# Altium PCB CSUEAF4 - 信号线完毕.PcbDoc
Units mil, origin at the board's own origin, x right, y up, seen from the top; angles counter-clockwise.
Board outline 3937.01 x 3937.01 mil, 2 copper layers (Top Layer, Bottom Layer); 84 components, 107 nets, 448 pads, 112 vias.
Unrouted connection lines stored in the file: 119.
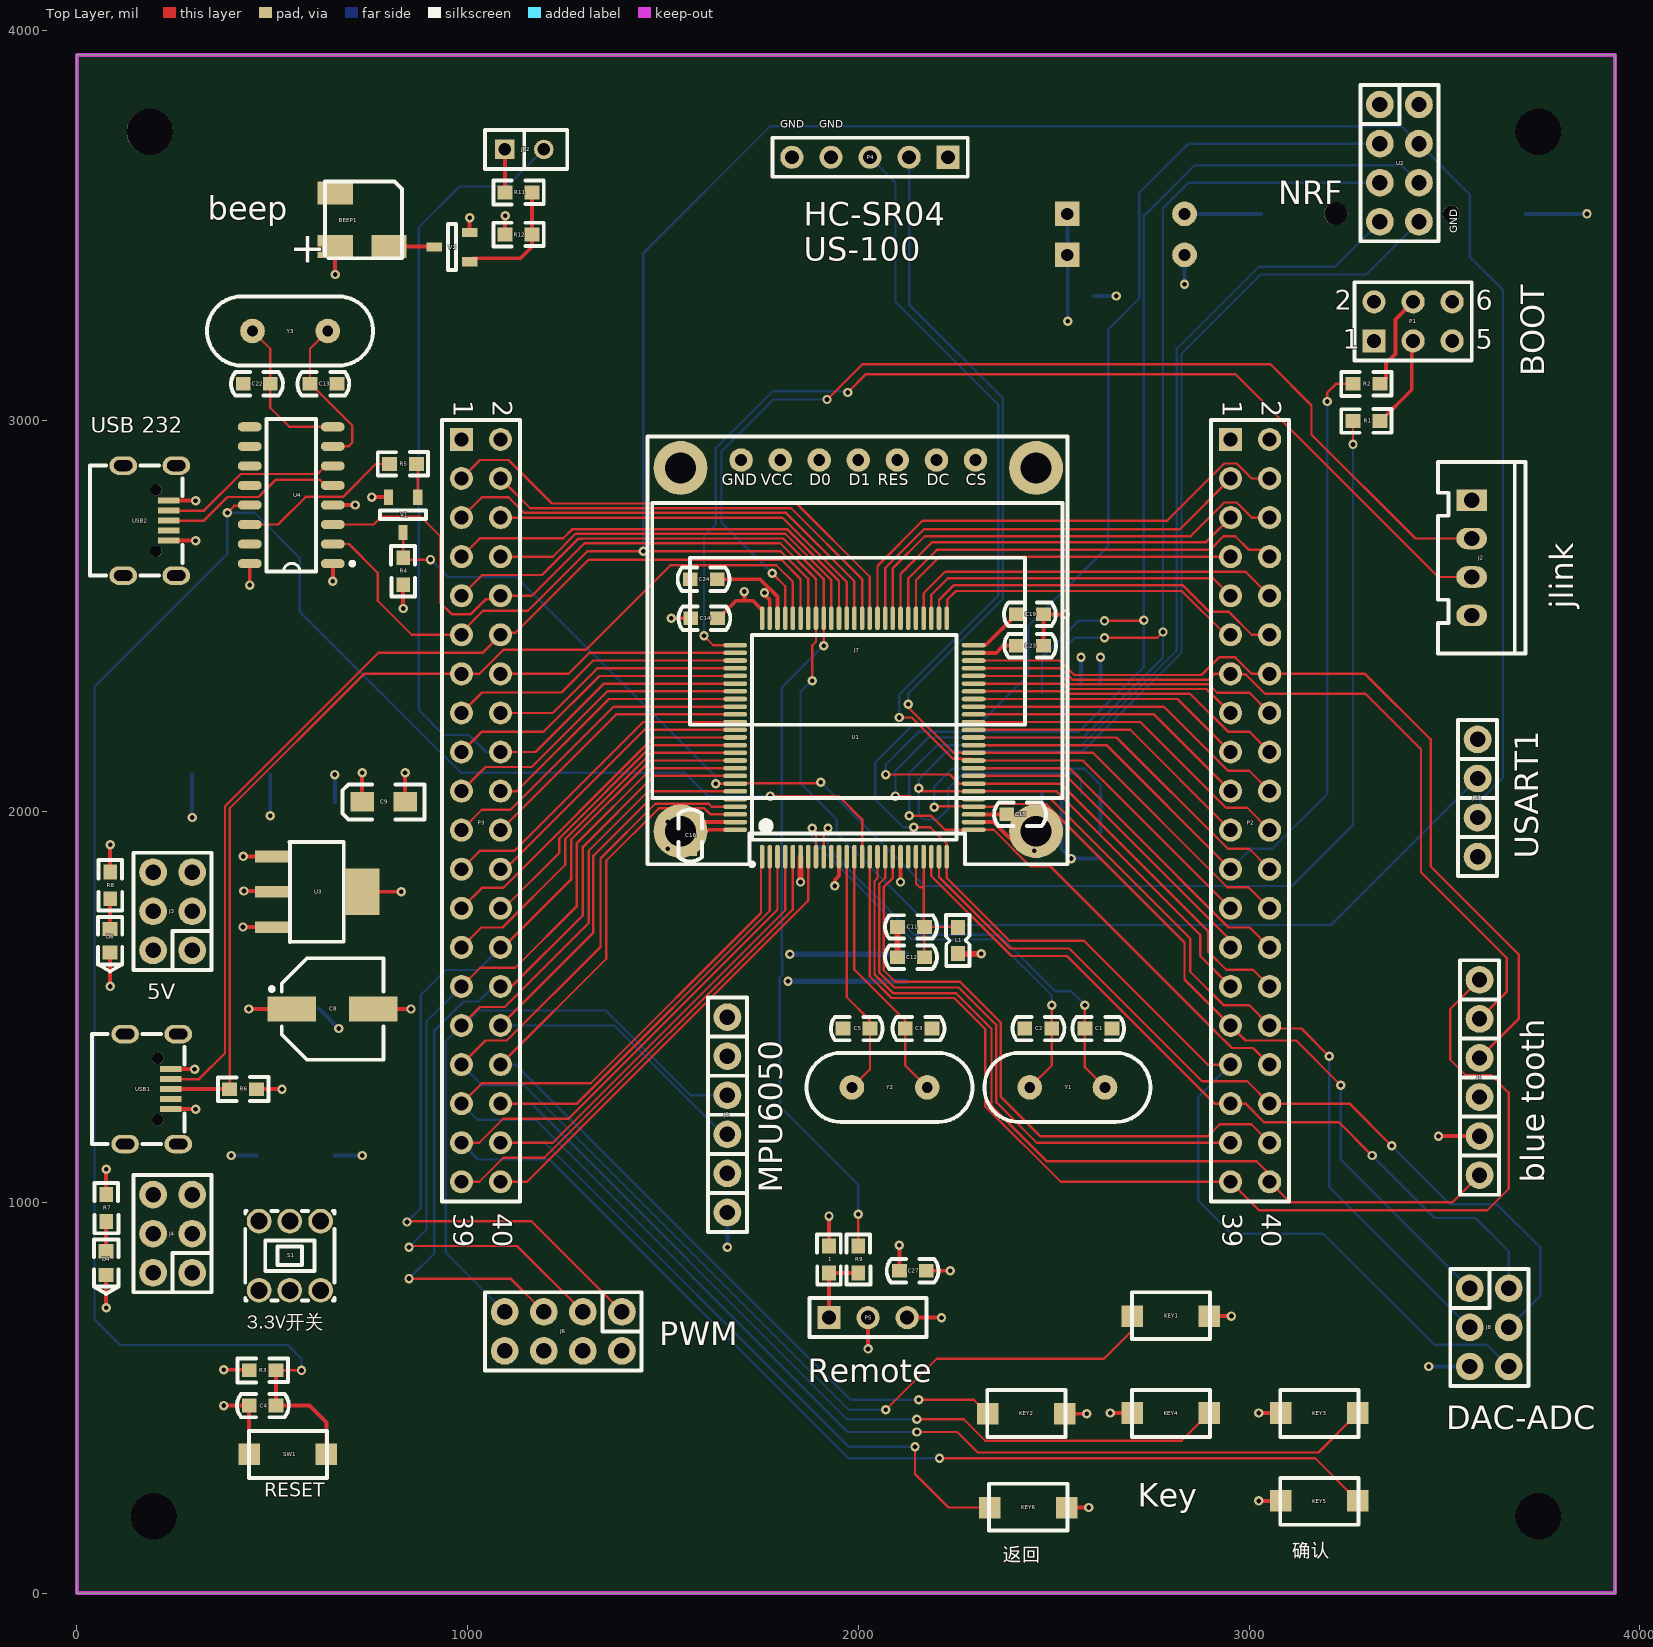
[diagram p0: Top Layer view]
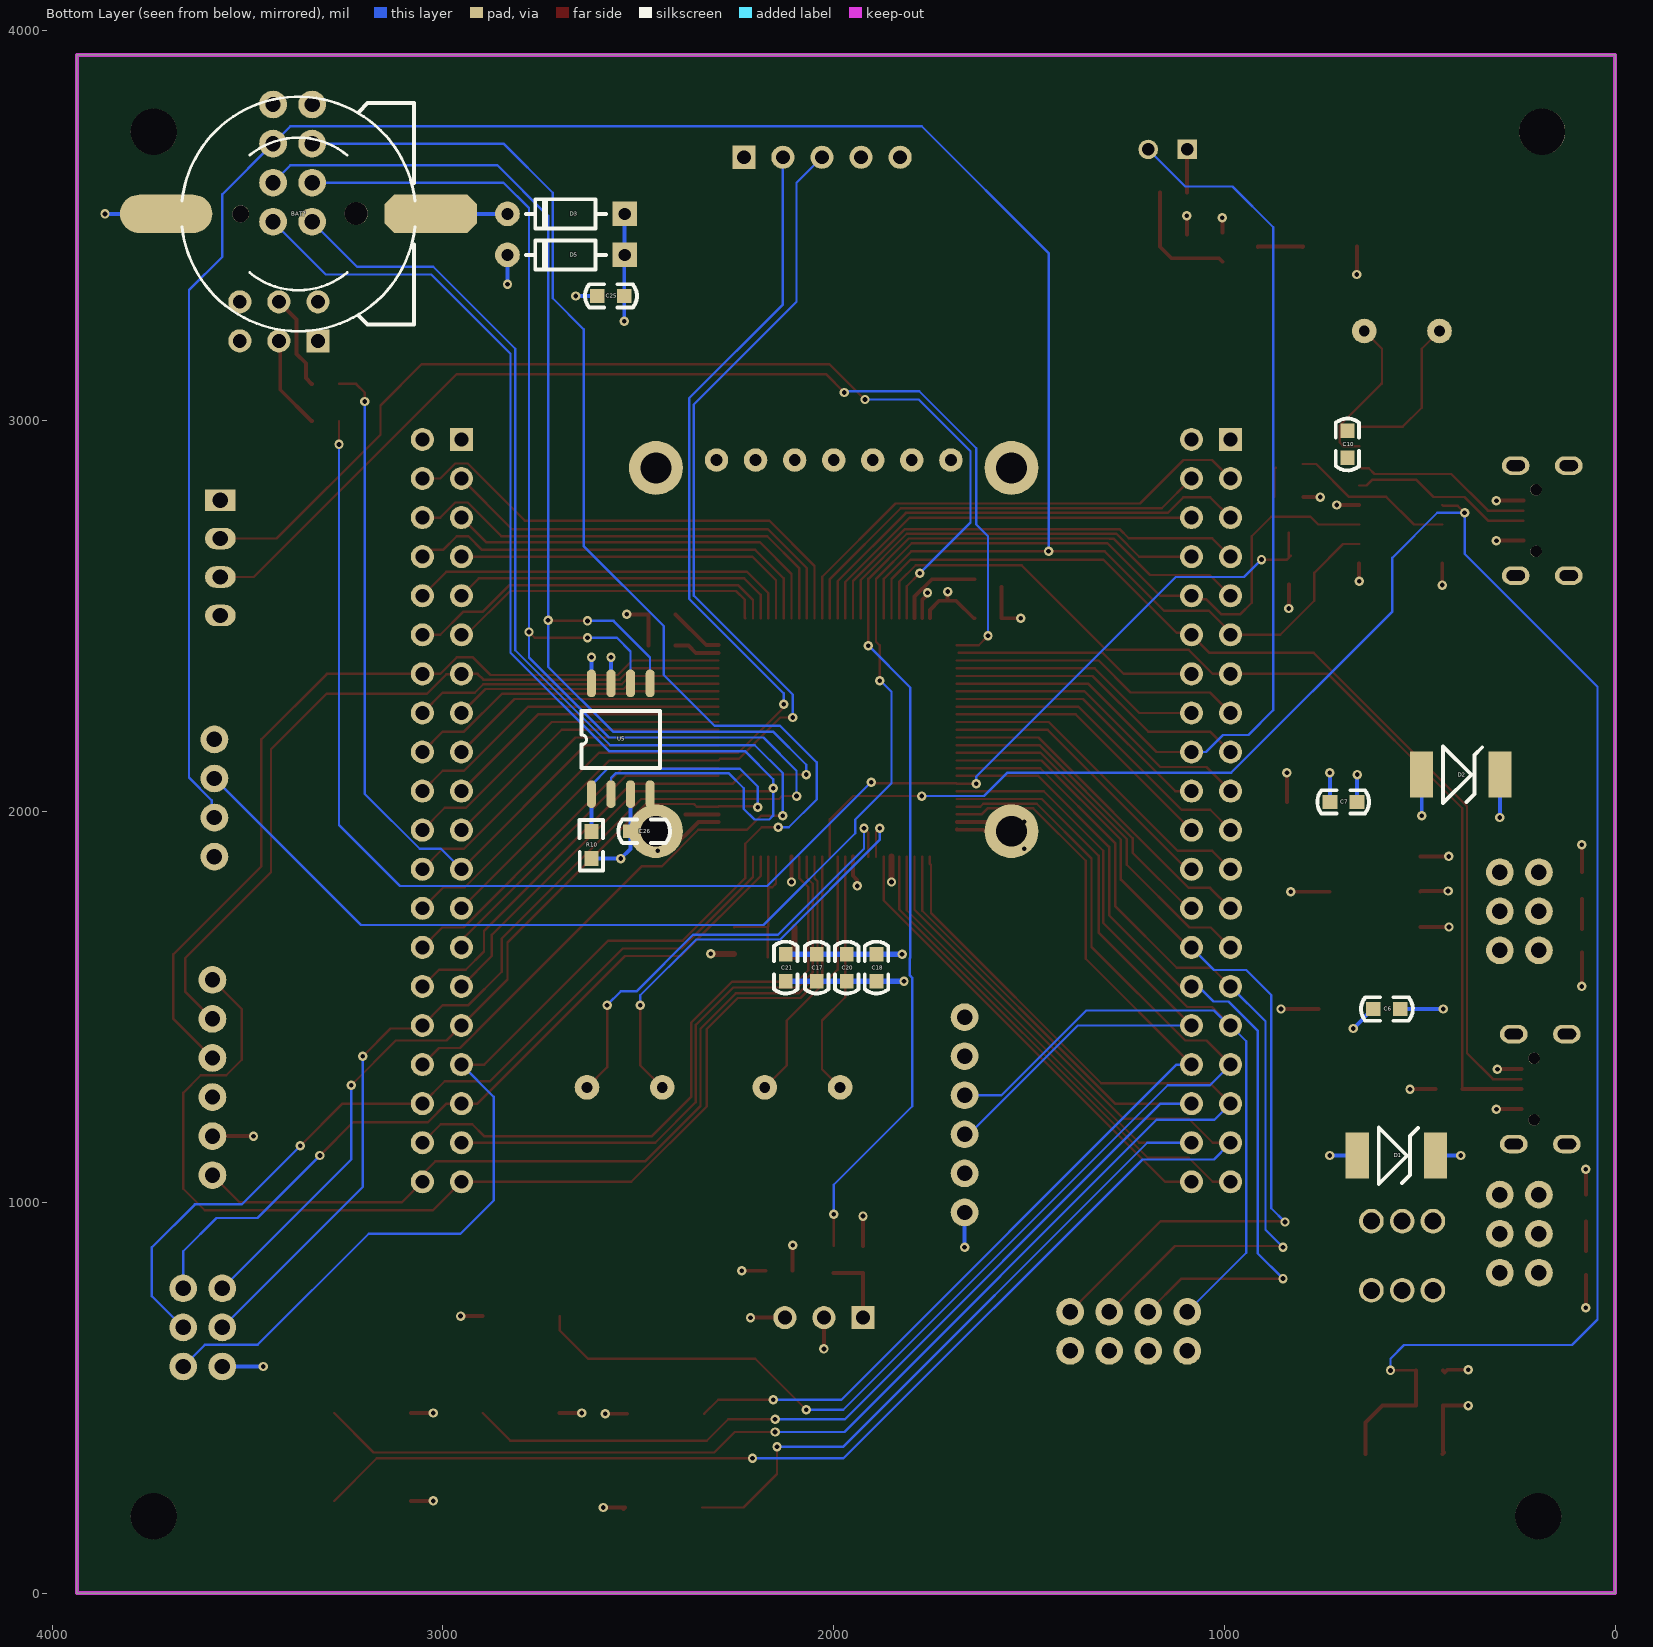
[diagram p1: Bottom Layer view, seen from below]
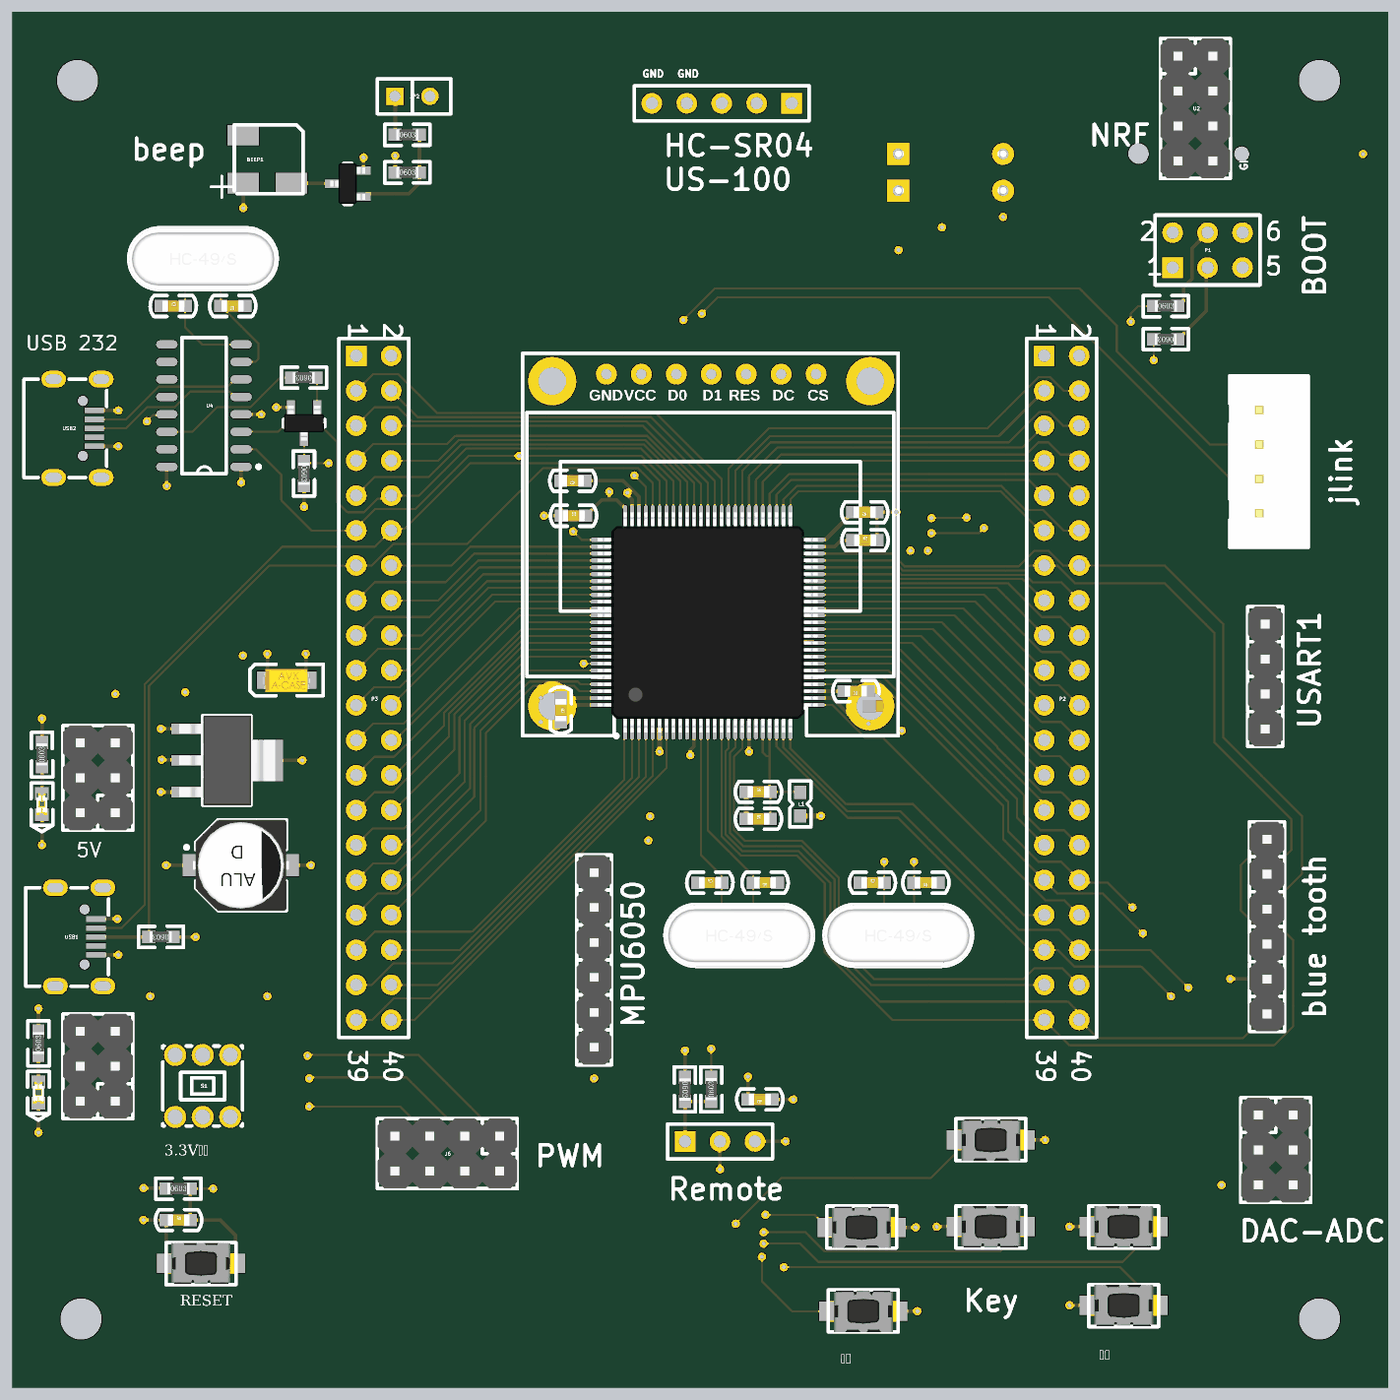
[diagram p2: 3D render of the assembled board from above, using the file's embedded part models]
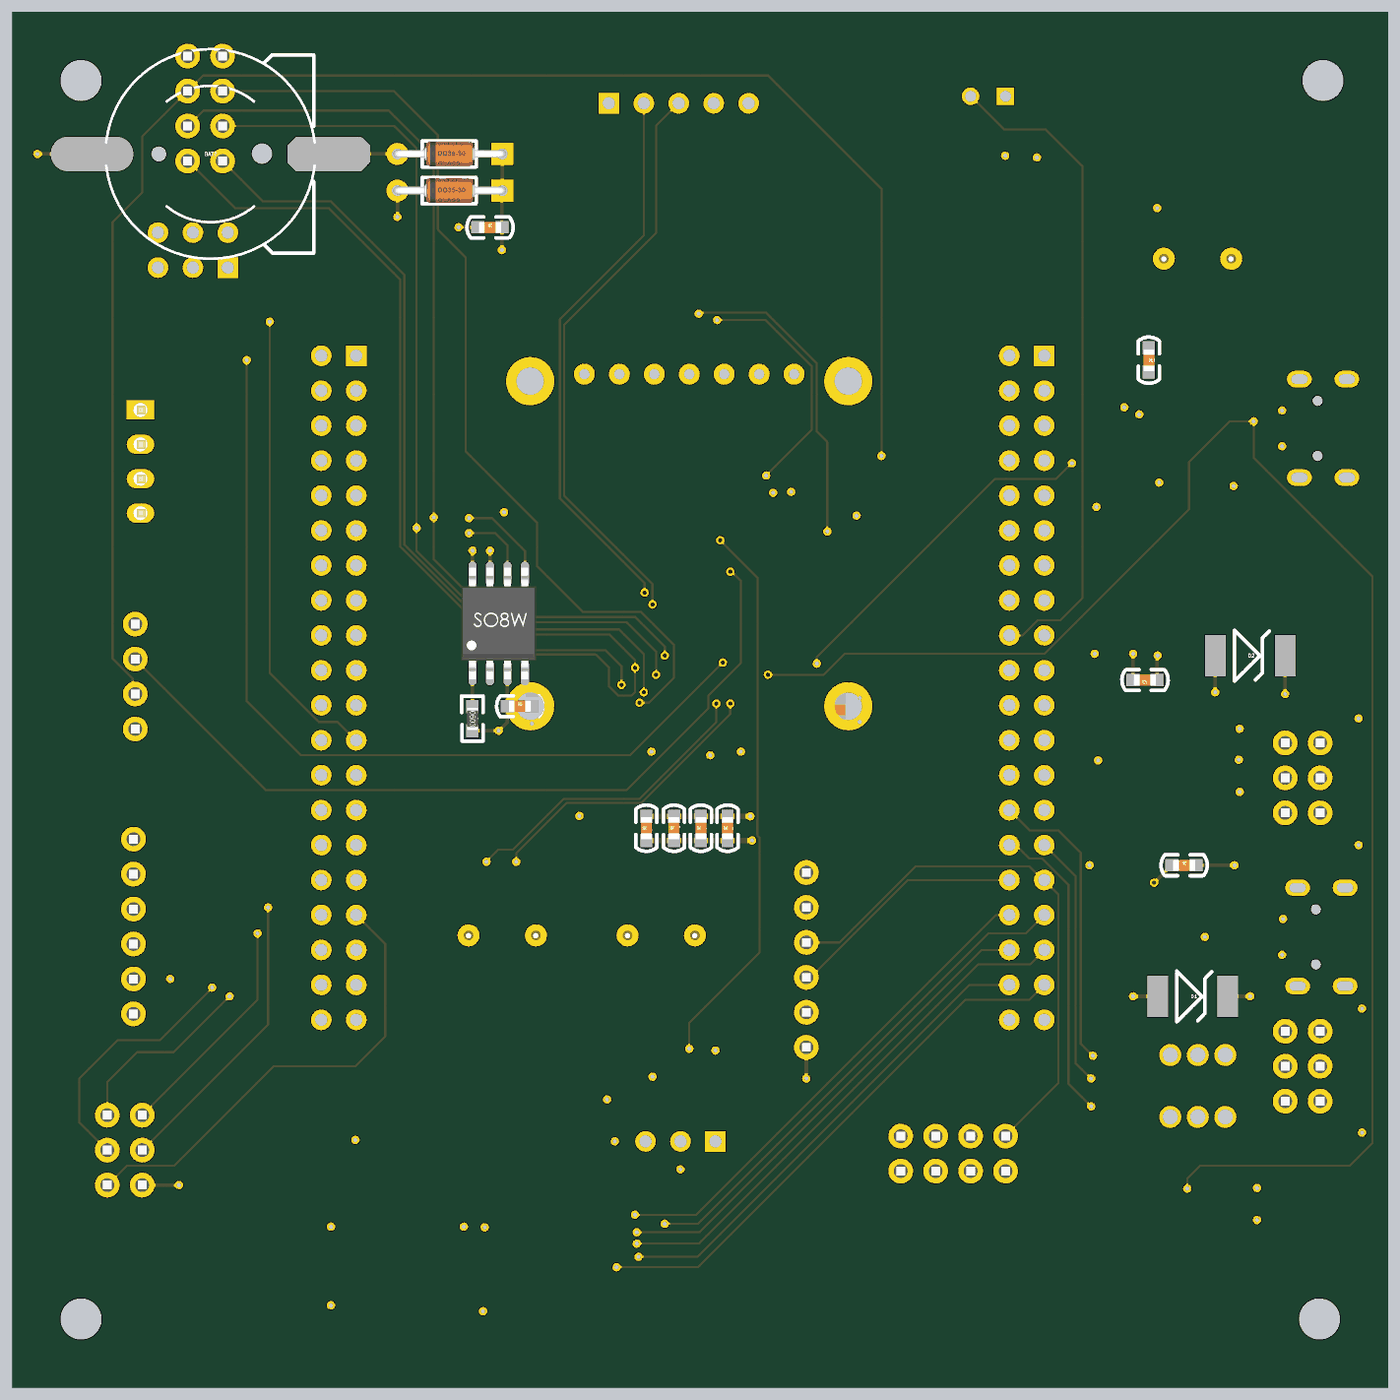
[diagram p3: 3D render of the assembled board from below, using the file's embedded part models]

## Layer stack, top to bottom
Top Solder: solder mask 0.4, Solder Resist, Dk 3.5
Top Layer: signal copper 1.4
Dielectric 1: dielectric 12.6, FR-4, Dk 4.8
Bottom Layer: signal copper 1.4
Bottom Solder: solder mask 0.4, Solder Resist, Dk 3.5

## Board outline
0,0 3937.01,0 3937.01,3937.01 0,3937.01

## Design rules (kind name [scope] priority, off if disabled: settings)
Clearance ALL [All] p1: gap=6 ignorepadtopadclearanceinfootprint=FALSE
Clearance VIA-POLY [isvia vs inpolygon] p2: gap=6 ignorepadtopadclearanceinfootprint=FALSE
Clearance POLY [inpolygon] p3: gap=10 ignorepadtopadclearanceinfootprint=FALSE
PolygonConnect [All] p1: connectstyle=Relief reliefconductorwidth=18 reliefentries=4 polygonreliefangle="90 Angle" airgapwidth=10
RoutingVias [All] p1: holewidth=12 width=24 viastyle="Through Hole" minholewidth=12 minwidth=24 maxholewidth=12 maxwidth=24
SilkToSilkClearance [All] p1: silktosilkclearance=2
SilkToSolderMaskClearance [IsPad] p1: minsilkscreentomaskgap=2 clearancetoexposedcopper=TRUE
SolderMaskExpansion [All] p1: expansion=2.5
Width POW [InNetClass('POW')] p1: maxlimit=60 minlimit=10 preferedwidth=15
Width [All] p2: maxlimit=6 minlimit=6 preferedwidth=6
28 further rules are at their usual default settings.

## Classes and differential pairs
net class POW: 3V3 5V GND VBAT VUSB

## Components (designator, comment, footprint, x,y, rotation, side; value= is the part's Value field where it differs from the comment)
1 "电阻" R0603 1925,888.37 r270 top value=150R
BAT? "BATT" BATM 3370,3530 r90 bottom
BEEP1 "蜂鸣器" Beep-5.0*5.0 730,3515 r0 top
C1 "15pF" C0603 2649,1445 r180 top value=22pF
C2 "15pF" C0603 2426,1445 r0 top value=22pF
C3 "22pF" C0603 2189,1445 r180 top
C4 "104" C0603 441,480 r0 top value=22pF
C5 "22pF" C0603 1961,1445 r0 top
C6 "电容104" C0603 619,1495 r180 bottom value=22pF
C7 "电容104" C0603 661,2025 r0 bottom value=22pF
C8 "电解电容106" "贴片电解 6.3*5.4" 654.33,1495 r0 top value=100pF
C9 "钽电容106" 3216-ce 730,2025 r180 top value=100pF
C10 "104" C0603 685,2975 r270 bottom value=22pF
C11 "106" C0603 2100,1705 r0 top value=22pF
C12 "106" C0603 2100,1627.76 r0 top value=22pF
C13 "22pF" C0603 665.81,3095 r180 top
C14 "104" C0603 1571,2495 r0 top value=22pF
C15 "104" C0603 2449,1993.15 r180 top value=22pF
C16 "104" C0603 1569.78,1974 r270 top value=22pF
C17 "电容" C0603 2043.51,1566 r90 bottom value=22pF
C18 "104" C0603 1890.44,1566 r90 bottom value=22pF
C19 "104" C0603 2474,2505 r180 top value=22pF
C20 "104" C0603 1966.66,1566 r90 bottom value=22pF
C21 "104" C0603 2122.8,1566 r90 bottom value=22pF
C22 "22pF" C0603 425.81,3095 r0 top
C23 "225" C0603 2405,2425 r0 top value=22pF
C24 "225" C0603 1639,2595 r180 top value=22pF
C25 "104" C0603 2605,3320 r180 bottom value=22pF
C26 "104" C0603 2520,1950 r180 bottom value=22pF
C27 "104" C0603 2174,825 r180 top value=22pF
D1 "SMBJ3.3A" SMBJ 565,1120 r180 bottom
D2 "SMBJ5.0A" SMBJ 400,2095 r180 bottom
D3 "1N4148" DO-35 2685,3530 r180 bottom
D4 "LED" "LED 0603G" 75,844.68 r90 top
D5 "1N4148" DO-35 2685,3425 r180 bottom
D6 "LED" "LED 0603G" 85,1669.68 r90 top
J1 "SIP-6" 2.54排针1X6 3590,1369.69 r90 top
J2 "SIP-4" 2.54XH接插件4P 3570,2797.52 r270 top
J3 "PIN-6" 2.54排针2X3 295,1645 r90 top
J4 "PIN-6" 2.54排针2X3 295,820 r90 top
J5 "MPU6050" 2.54排针1X6 1665,1174.23 r270 top
J6 "TIM4_1234" 2.54排针2X4#1 1395,720 r180 top
J7 "0.96OLED" "OLED 0.96" 1700,2900 r0 top
J8 "DAC_ADC" 2.54排针2X3 3565,780 r270 top
JP1 "SIP-4" 2.54排针1X4 3585,1885 r270 top
JP2 "JX2" SIP2 1095,3695 r0 top
KEY1 "SW" 按键微动开关2 2800,710 r0 top
KEY2 "SW" 按键微动开关2 2430,460 r0 top
KEY3 "SW" 按键微动开关2 3180,460 r180 top
KEY4 "SW" 按键微动开关2 2800,460 r180 top
KEY5 "SW" 按键微动开关2 3180,235 r180 top
KEY6 "SW" 按键微动开关2 2435,220 r0 top
L1 "10uH" L0603 2255,1675.55 r270 top
P1 "Header 3X2" HDR2X3 3320,3205 r0 top
P2 "Header 20X2" HDR2X20 2952.76,2952.76 r270 top
P3 "Header 20X2" HDR2X20 984.25,2952.76 r270 top
P4 "HC-SR04/US-100" HDR1X5 2230,3675 r180 top
P5 "HS0038" HDR1X3 1925,705 r0 top
R1 "10K" R0603 3335,3000 r180 top value=150R
R2 "10K" R0603 3266,3095 r0 top value=150R
R3 "10K" R0603 441,570 r0 top value=150R
R4 "10K" R0603 835,2650 r270 top value=150R
R5 "4.7K" R0603 869,2890 r180 top value=150R
R6 "1K" R0603 460,1290 r180 top value=150R
R7 "330" R0603 75,951 r90 top value=150R
R8 "1K" R0603 85,1777 r90 top value=150R
R9 "1K" R0603 2000,819.37 r90 top value=150R
R10 "10K" R0603 2620,1949 r270 bottom value=150R
R11 "4.7K" R0603 1096,3585 r0 top value=150R
R12 "10K" R0603 1096,3477.4 r0 top value=150R
S1 "SWITCH-6" 自锁开关 545,865 r180 top
SW1 "SW" 按键微动开关2 540,355 r180 top
U1 "STM32F407VET6" LQFP100 1990,2190 r90 top
U2 "NRF24L01" 2.54排针2X4#2 3335,3810 r270 top
U3 "AMS1117-3V3" SOT223 615,1795 r270 top
U4 "CH340G" SOIC16 655,2635 r180 top
U5 "W25Q80BL" W25Q-SO8 2620,2045 r90 bottom
USB1 "USB" MICRO-USB-5P4脚 135,1290 r270 top
USB2 "USB" MICRO-USB-5P4脚 130,2745 r270 top
V1 "NPN" SOT-23 835,2760 r180 top
V2 "NPN" SOT-23 960,3445 r90 top
Y1 "32KHz" OSC-HC-49S 2535,1294.29 r0 top
Y2 "8MHz" OSC-HC-49S 2080,1294.29 r0 top
Y3 "12MHz" OSC-HC-49S 545.81,3230.32 r0 top

## Footprints (in the part's own frame and the unit in brackets; to place one, negate y for a bottom-side part, rotate by r counter-clockwise, add the part's x,y. Pads: shape width x height; smd on the part's side, far side on the other; paste and mask are expansions set on the pad)
2.54XH接插件4P [mm]
  rect 1.4x2 hole 1: 1(0,0)
  oval 1.4x2 hole 1: 2(2.5,0) 3(5,0) 4(7.5,0)
  silkscreen extent -2.48,-2.2 9.98,3.5, body extent -2.5,-2.25 10,3.45, height 7
2.54排针1X4 [mm]
  round 1.8 hole 1: 1(-7.62,0) 2(-5.08,0) 3(-2.54,0) 4(0,0)
  silkscreen extent -8.89,-1.27 1.27,1.27, body extent -8.89,-1.27 1.27,1.27, height 2.5
2.54排针1X6 [mm]
  round 1.8 hole 1: 1(-7.62,0) 2(-5.08,0) 3(-2.54,0) 4(0,0) 5(2.54,0) 6(5.08,0)
  silkscreen extent -8.89,-1.27 6.35,1.27, body extent -8.89,-1.27 6.35,1.27, height 2.5
2.54排针2X3 [mm]
  round 1.8 hole 1: 1(0,0) 2(0,2.54) 3(2.54,0) 4(2.54,2.54) 5(5.08,0) 6(5.08,2.54)
  silkscreen extent -1.27,-1.27 6.35,3.81, body extent -1.27,-1.27 6.35,3.81, height 2.5
2.54排针2X4#1 [mm]
  round 1.8 hole 1: 1(0,0) 2(0,2.54) 3(2.54,0) 4(2.54,2.54) 5(5.08,0) 6(5.08,2.54) 7(7.62,0) 8(7.62,2.54)
  silkscreen extent -1.27,-1.27 8.89,3.81, body extent -1.27,-1.27 8.89,3.81, height 2.5
2.54排针2X4#2 [mm]
  round 1.8 hole 1: 1(0,0) 2(0,2.54) 3(2.54,0) 4(2.54,2.54) 5(5.08,0) 6(5.08,2.54) 7(7.62,2.54) 8(7.62,0)
  silkscreen extent -1.27,-1.27 8.89,3.81, body extent -1.27,-1.27 8.89,3.81, height 2.5
3216-ce [mil]
  rect 60x50 smd: 1(0,0) 2(-110,0)
  silkscreen extent -160,-45 50,45, body extent -122,-31 12,35, height 67
BATM [mm]
  round 1.1 hole 1.1 unplated: 0(0,3.748)
  round 1.5 hole 1.5 unplated: 0(0.025,-3.752)
  oct 2.5x6 smd: 1(0,-8.602)
  oval 2.5x6 smd: 2(0,8.598)
  silkscreen extent -7.62,-7.58 7.62,7.57
Beep-5.0*5.0 [mm]
  rect 2.3x1.5 smd: 1(-1.75,-1.75) 2(1.75,-1.75) 3(-1.75,1.75)
  silkscreen extent -2.4,-2.5 2.6,2.5, body extent -2.41,-2.54 2.67,2.54, height 2
C0603 [mil]
  rect 38x35 smd: 1(0,0) 2(69,0)
  silkscreen extent -31,-30 101,30, body extent 4,-16 67,16, height 12
DO-35 [mm]
  rect 1.6x1.6 hole 0.8: 1(3.81,0)
  round 1.6 hole 0.8: 2(-3.81,0)
  silkscreen extent -2.6,-0.95 2.6,0.95, body extent -4.1,-0.89 4.07,0.91, height 1.92
HDR1X3 [mm] "Connector; Header; 3 Position"
  rect 1.5x1.5 hole 0.9: 1(0,0)
  round 1.5 hole 0.9: 2(2.54,0) 3(5.08,0)
  silkscreen extent -1.27,-1.27 6.35,1.27
HDR1X5 [mm]
  rect 1.5x1.5 hole 0.9: 1(0,0)
  round 1.5 hole 0.9: 2(2.54,0) 3(5.08,0) 4(7.62,0) 5(10.16,0)
  silkscreen extent -1.27,-1.27 11.43,1.27
HDR2X3 [mm] "Connector; Header; 3x2 Position"
  rect 1.5x1.5 hole 0.9: 1(0,0)
  round 1.5 hole 0.9: 2(0,2.54) 3(2.54,0) 4(2.54,2.54) 5(5.08,0) 6(5.08,2.54)
  silkscreen extent -1.27,-1.27 6.35,3.81
HDR2X20 [mm] "Connector; Header; 20x2 Position"
  rect 1.5x1.5 hole 0.9: 1(0,0)
  round 1.5 hole 0.9: 2(0,2.54) 3(2.54,0) 4(2.54,2.54) 5(5.08,0) 6(5.08,2.54) 7(7.62,0) 8(7.62,2.54) 9(10.16,0) 10(10.16,2.54) 11(12.7,0) 12(12.7,2.54) 13(15.24,0) 14(15.24,2.54) 15(17.78,0) 16(17.78,2.54) 17(20.32,0) 18(20.32,2.54) 19(22.86,0) 20(22.86,2.54) 21(25.4,0) 22(25.4,2.54) 23(27.94,0) 24(27.94,2.54) 25(30.48,0) 26(30.48,2.54) 27(33.02,0) 28(33.02,2.54) 29(35.56,0) 30(35.56,2.54) 31(38.1,0) 32(38.1,2.54) 33(40.64,0) 34(40.64,2.54) 35(43.18,0) 36(43.18,2.54) 37(45.72,0) 38(45.72,2.54) 39(48.26,0) 40(48.26,2.54)
  silkscreen extent -1.27,-1.27 49.53,3.81
L0603 [mil]
  rect 38x35 smd: 1(-28,0) 2(38.87,0)
  silkscreen extent -60,-31 71,30, body extent -24,-15 36,15, height 20
"LED 0603G" [mm] "绿色0603LED"
  rect 0.93x0.98 smd: A(0.77,0) K(-0.77,0)
  silkscreen extent -2,-0.79 1.53,0.79, body extent -0.8,-0.4 0.8,0.4, height 0.61
LQFP100 [mm] "100-pin low-profile quad flat"
  oval 1.55x0.3 smd: 1(-7.75,6) 2(-7.75,5.5) 3(-7.75,5) 4(-7.75,4.5) 5(-7.75,4) 6(-7.75,3.5) 7(-7.75,3) 8(-7.75,2.5) 9(-7.75,2) 10(-7.75,1.5) 11(-7.75,1) 12(-7.75,0.5) 13(-7.75,0) 14(-7.75,-0.5) 15(-7.75,-1) 16(-7.75,-1.5) 17(-7.75,-2) 18(-7.75,-2.5) 19(-7.75,-3) 20(-7.75,-3.5) 21(-7.75,-4) 22(-7.75,-4.5) 23(-7.75,-5) 24(-7.75,-5.5) 25(-7.75,-6) 51(7.75,-6) 52(7.75,-5.5) 53(7.75,-5) 54(7.75,-4.5) 55(7.75,-4) 56(7.75,-3.5) 57(7.75,-3) 58(7.75,-2.5) 59(7.75,-2) 60(7.75,-1.5) 61(7.75,-1) 62(7.75,-0.5) 63(7.75,0) 64(7.75,0.5) 65(7.75,1) 66(7.75,1.5) 67(7.75,2) 68(7.75,2.5) 69(7.75,3) 70(7.75,3.5) 71(7.75,4) 72(7.75,4.5) 73(7.75,5) 74(7.75,5.5) 75(7.75,6)